# Allegro board 8880F5-0823_1_maisha.brd (continued)
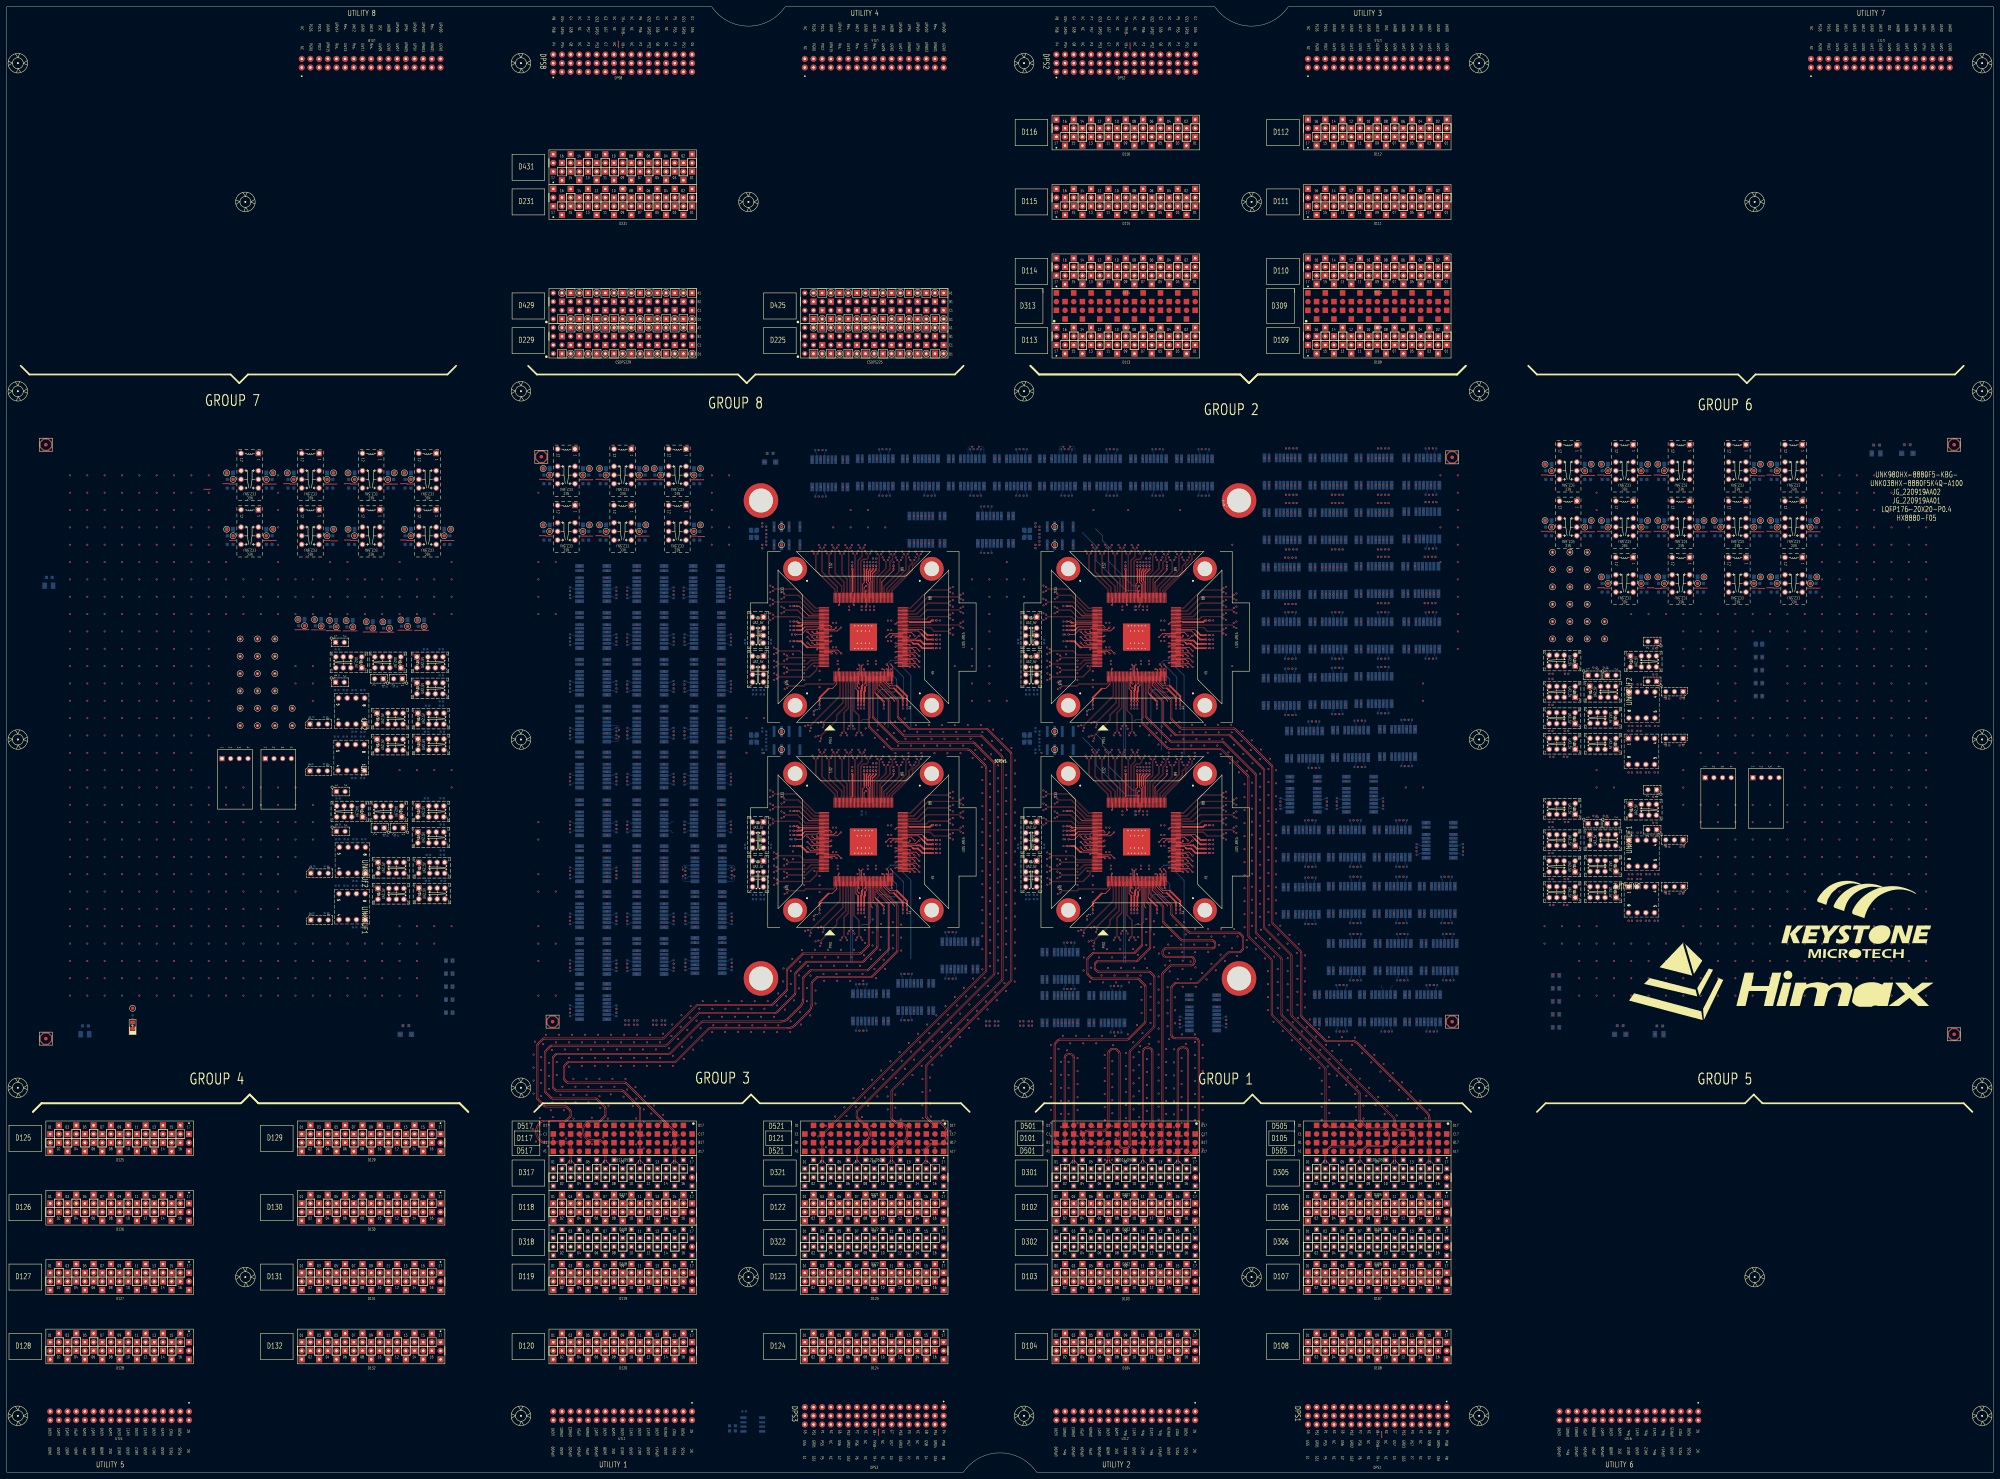
[diagram p0: board, top side]
## Routing (per net, layer and track width the routed paths; a pad name or vN(x,y) marks a point on that pad's centre or on a via; arc(x,y) is an arc through that point) (continued)
  L28_SIGNAL w0.071: v1(390.16,235.65) 389.69,235.18 389.69,233.97 388.21,232.49 388.21,219.12 388.81,218.52 391.12,218.52 392.27,219.66 392.27,221.1 395.58,224.41 404.27,224.41 407.15,221.52 407.15,206.24 408.71,204.68 418.95,204.68 422.83,208.57 422.83,233.64 426.21,237.02 444.82,237.02 448.37,233.47 448.37,206.58 444.39,202.6 401.84,202.6 400.84,201.61 379.9,201.61 376.79,204.72 376.79,214.1 375.04,215.85 342.11,215.85 341.05,216.91 337.89,216.91 334.95,219.86 327.93,219.86 327.33,219.25 327.33,219.02 v1(327.8,218.55)
D10910: length 413.5
  TOP w0.086: SITE2.2 322.63,231.48 322.55,231.4 322.55,231.18 322.13,230.76 314.03,230.76 313.52,230.25 308.97,230.25 v1(308.51,229.79)
  L03_SIGNAL w0.071: D109.10 396.75,328.17 396.75,323.17 428.31,291.6 428.31,264.18 430.22,262.28 432.66,262.28 434.14,263.76 434.14,282.24 437.37,285.47 441.52,285.47 444.19,282.8 444.19,227.73 440.32,223.87 427.26,223.87 423.54,227.59 423.54,239.25 419.54,243.25 399.38,243.25 397.48,241.35 397.48,224.06 396.3,222.88 396.3,220.63 v1(396.77,220.15)
  L28_SIGNAL w0.071: v1(308.51,229.79) 308.98,230.26 315.86,230.26 317.77,228.35 335.32,228.35 338.56,225.12 338.56,223.39 343.79,218.16 356.29,218.16 360.54,222.41 377.84,222.41 379.03,221.22 379.03,205.22 381.3,202.95 398.37,202.95 402.84,207.43 402.84,210.8 401.84,211.81 400.79,211.81 398.34,214.26 398.34,216.33 396.3,218.37 396.3,219.68 v1(396.77,220.15)
D10911: length 457
  TOP w0.086: v1(326.65,218.55) 327.11,219 327.11,231.4 327.03,231.48 SITE2.13
  L03_SIGNAL w0.071: v1(389.02,235.65) 389.49,235.18 389.49,234.59 389.22,234.31 387.62,234.31 384.37,237.56 384.37,309.59 373.37,320.59 373.37,339.27 375.99,341.9 395.76,341.9 399.32,338.34 399.32,334.5 399.1,334.28 397.78,334.28 D109.11
  L28_SIGNAL w0.071: v1(326.65,218.55) 327.13,219.02 327.13,219.33 327.85,220.06 335.03,220.06 337.98,217.11 341.14,217.11 342.2,216.05 375.12,216.05 376.99,214.18 376.99,204.8 379.99,201.8 400.76,201.8 401.75,202.8 444.31,202.8 448.17,206.66 448.17,233.38 444.74,236.82 426.29,236.82 423.03,233.56 423.03,208.49 419.03,204.49 408.62,204.49 406.95,206.16 406.95,221.44 404.18,224.21 395.66,224.21 392.46,221.01 392.46,219.58 391.2,218.32 388.73,218.32 388.01,219.03 388.01,232.57 389.49,234.05 389.49,235.18 v1(389.02,235.65)
D10912: length 413.5
  TOP w0.086: SITE2.1 322.23,231.48 322.31,231.4 322.31,231.28 322.03,231 313.93,231 313.42,230.49 308.95,230.49 v1(308.51,230.93)
  L03_SIGNAL w0.071: D109.12 395.01,328.89 395.67,328.89 396.55,328.01 396.55,323.08 428.12,291.52 428.12,264.1 430.13,262.08 432.74,262.08 434.34,263.68 434.34,282.16 437.46,285.27 441.43,285.27 443.99,282.72 443.99,227.82 440.24,224.07 427.34,224.07 423.74,227.67 423.74,239.33 419.62,243.45 399.3,243.45 397.28,241.43 397.28,224.14 396.1,222.96 396.1,220.63 v1(395.62,220.15)
  L28_SIGNAL w0.071: v1(395.62,220.15) 396.1,219.68 396.1,218.29 398.14,216.25 398.14,214.18 400.71,211.61 401.75,211.61 402.65,210.72 402.65,207.51 398.29,203.15 381.38,203.15 379.23,205.3 379.23,221.31 377.92,222.61 360.46,222.61 356.2,218.36 343.87,218.36 338.75,223.48 338.75,225.2 335.4,228.55 317.85,228.55 315.94,230.46 308.98,230.46 v1(308.51,230.93)
D10913: length 457
  TOP w0.086: SITE2.10 325.83,231.48 325.75,231.4 325.75,224.32 323.1,221.66 323.1,220.24 318.42,215.56 v1(318.42,214.92)
  L03_SIGNAL w0.071: v1(390.16,251.9) 389.69,251.43 389.69,250.65 389.18,250.14 387.53,250.14 386.71,250.95 386.71,255.13 387.68,256.1 392.19,256.1 392.92,256.83 392.92,304.32 375.56,321.68 375.56,338.82 377.86,341.12 386.47,341.12 390.17,337.41 390.17,333.73 D109.13
  L28_SIGNAL w0.071: v1(390.16,251.9) 389.69,252.38 389.69,253.44 389.11,254.02 387.55,254.02 386.39,252.87 386.39,251.51 382.5,247.62 366.91,247.62 364.11,250.42 359.24,250.42 357.88,249.06 356.03,249.06 348.37,256.72 310.89,256.72 299.65,267.97 287.74,267.97 283.53,263.75 283.53,223.94 284.2,223.27 285.62,223.27 286.35,224.01 286.35,263.08 287.11,263.83 289.12,263.83 289.94,263.01 289.94,224.01 290.74,223.21 293.48,223.21 294.08,223.8 294.08,237.02 294.73,237.67 295.8,237.67 296.75,236.72 296.75,224.5 307.22,214.03 316.86,214.03 317.75,214.92 v1(318.42,214.92)
D10914: length 457
  TOP w0.086: SITE2.12 326.63,231.48 326.55,231.4 326.55,223.72 325.23,222.4 325.23,217.05 v1(325.68,216.6)
  L03_SIGNAL w0.071: D109.14 387.32,328.9 386.5,328.9 385.15,327.55 385.15,321.84 394.57,312.41 394.57,245.05 389.69,240.16 389.69,238.79 v1(390.16,238.32)
  L28_SIGNAL w0.071: v1(325.68,216.6) 325.21,216.12 325.21,215.2 327.27,213.14 332.06,213.14 333.24,211.95 362.77,211.95 364.34,210.37 371.17,210.37 372.88,208.66 372.88,201.84 375.44,199.28 476.97,199.28 478.97,201.28 483.31,201.28 484.46,202.44 484.46,246.62 474.56,256.52 426.05,256.52 418.51,248.99 418.51,237.77 412.64,231.9 398.72,231.9 394.66,235.96 394.66,239.22 393.57,240.32 390.34,240.32 389.69,239.67 389.69,238.79 v1(390.16,238.32)
D10915: length 457
  TOP w0.086: v1(317.61,215.73) 318.25,215.73 322.86,220.34 322.86,221.76 325.51,224.41 325.51,231.4 325.43,231.48 SITE2.9
  L03_SIGNAL w0.071: D109.15 387.17,333.83 389.65,333.83 389.97,334.16 389.97,337.33 386.39,340.92 377.94,340.92 375.76,338.74 375.76,321.76 393.12,304.4 393.12,256.74 392.28,255.9 387.76,255.9 386.91,255.05 386.91,251.04 387.61,250.33 389.1,250.33 389.49,250.73 389.49,251.43 v1(389.02,251.9)
  L28_SIGNAL w0.071: v1(389.02,251.9) 389.49,252.38 389.49,253.36 389.03,253.82 387.63,253.82 386.59,252.79 386.59,251.43 382.58,247.42 366.83,247.42 364.03,250.22 359.32,250.22 357.96,248.86 355.95,248.86 348.28,256.52 310.81,256.52 299.56,267.77 287.82,267.77 283.73,263.67 283.73,224.02 284.28,223.47 285.54,223.47 286.16,224.09 286.16,263.16 287.02,264.03 289.2,264.03 290.13,263.09 290.13,224.09 290.83,223.4 293.4,223.4 293.88,223.88 293.88,237.1 294.65,237.86 295.88,237.86 296.95,236.8 296.95,224.58 307.3,214.23 316.78,214.23 317.61,215.06 v1(317.61,215.73)
D10916: length 457
  TOP w0.086: SITE2.11 326.23,231.48 326.31,231.4 326.31,223.82 324.99,222.5 324.99,217.05 v1(324.54,216.6)
  L03_SIGNAL w0.071: v1(389.02,238.32) 389.49,238.79 389.49,240.25 394.38,245.13 394.38,312.33 384.95,321.75 384.95,328.79 D109.16
  L28_SIGNAL w0.071: v1(324.54,216.6) 325.01,216.12 325.01,215.12 327.19,212.94 331.97,212.94 333.16,211.75 362.68,211.75 364.26,210.17 371.08,210.17 372.68,208.58 372.68,201.75 375.35,199.08 477.05,199.08 479.05,201.08 483.39,201.08 484.66,202.35 484.66,246.7 474.64,256.72 425.96,256.72 418.31,249.07 418.31,237.85 412.56,232.1 398.8,232.1 394.86,236.04 394.86,239.3 393.65,240.51 390.26,240.51 389.49,239.75 389.49,238.79 v1(389.02,238.32)
D11301: length 413.5
  TOP w0.086: SITE2.172 317.68,237.63 317.6,237.71 315.46,237.71 314.38,236.63 305.85,236.63 v1(305.39,236.18)
  L03_SIGNAL w0.071: v1(383.31,219.9) 382.83,219.43 382.83,218.88 381.94,217.99 381.94,215.22 378.89,212.17 369.3,212.17 365.93,215.54 343.1,215.54 341.37,217.27 341.37,248.22 345.69,252.54 357.89,252.54 360.99,249.43 360.99,220.75 362.94,218.81 378.5,218.81 380.64,220.95 380.64,301.99 366.38,316.24 366.38,334.71 359.68,341.42 348.53,341.42 345.19,338.08 345.19,334.3 345.33,334.16 346.56,334.16 D113.01
  L28_SIGNAL w0.071: v1(383.31,219.9) 382.83,219.43 382.83,218.74 383.25,218.33 384.29,218.33 384.81,218.85 384.81,224.13 378.02,230.92 342.22,230.92 338.98,234.16 323.23,234.16 320.74,236.65 305.87,236.65 v1(305.39,236.18)
D11302: length 457
  TOP w0.086: v1(319.21,218.99) 319.21,219.63 324.95,225.37 324.95,231.4 325.03,231.48 SITE2.8
  L03_SIGNAL w0.071: D113.02 343.82,328.58 343.82,322.24 346.23,319.83 359.14,319.83 379.44,299.53 379.44,221.74 377.88,220.18 370.1,220.18 364.26,226.02 364.26,270.19 359.53,274.92 337.17,274.92 333.78,278.31 333.78,303.93 339.09,309.24 361.38,309.24 370.45,300.17 370.45,239.88 372.59,237.74 372.59,232.47 377.03,228.03 377.03,224.49 375.98,223.44 375.98,222.28 v1(376.45,221.81)
  L28_SIGNAL w0.071: v1(376.45,221.81) 376.05,221.81 375.98,221.73 375.98,219.5 374.12,217.65 340.52,217.65 337.31,220.86 320.41,220.86 319.21,219.66 v1(319.21,218.99)
D11303: length 413.5
  TOP w0.086: SITE2.171 317.68,238.03 317.6,237.95 315.37,237.95 314.29,236.87 305.85,236.87 v1(305.39,237.32)
  L03_SIGNAL w0.071: v1(382.16,219.9) 382.63,219.43 382.63,218.96 381.74,218.07 381.74,215.3 378.81,212.37 369.38,212.37 366.01,215.74 343.18,215.74 341.57,217.35 341.57,248.14 345.77,252.34 357.8,252.34 360.79,249.35 360.79,220.67 362.86,218.61 378.58,218.61 380.83,220.86 380.83,302.07 366.58,316.32 366.58,334.8 359.76,341.61 348.45,341.61 344.99,338.16 344.99,334.83 D113.03
  L28_SIGNAL w0.071: v1(382.16,219.9) 382.63,219.43 382.63,218.66 383.17,218.13 384.37,218.13 385.01,218.77 385.01,224.21 378.1,231.12 342.3,231.12 339.06,234.36 323.31,234.36 320.82,236.85 305.87,236.85 v1(305.39,237.32)
D11304: length 457
  TOP w0.086: v1(318.4,219.8) 319.04,219.8 324.71,225.47 324.71,231.4 324.63,231.48 SITE2.7
  L03_SIGNAL w0.071: v1(375.3,221.81) 375.78,222.28 375.78,223.52 376.83,224.58 376.83,227.94 372.39,232.39 372.39,237.65 370.25,239.8 370.25,300.09 361.29,309.04 339.17,309.04 333.98,303.84 333.98,278.39 337.25,275.12 359.61,275.12 364.45,270.28 364.45,226.1 370.18,220.38 377.8,220.38 379.24,221.82 379.24,299.45 359.06,319.63 346.15,319.63 343.62,322.15 343.62,328.59 343.02,329.2 341.36,329.2 D113.04
  L28_SIGNAL w0.071: v1(318.4,219.8) 319.07,219.8 320.33,221.06 337.39,221.06 340.61,217.85 374.04,217.85 375.78,219.58 375.78,221.73 375.71,221.81 v1(375.3,221.81)
D11305: length 457
  TOP w0.086: v1(330.13,216.61) 329.68,217.05 329.68,221.65 328.15,223.18 328.15,231.4 328.23,231.48 SITE2.16
  L03_SIGNAL w0.071: D113.05 335.38,335.18 335.38,339.03 339.92,343.57 366.08,343.57 370.39,339.26 370.39,317.73 382.35,305.76 382.35,222.21 384.09,220.46 388.91,220.46 389.69,221.24 389.69,221.59 v1(390.16,222.06)
  L28_SIGNAL w0.071: v1(330.13,216.61) 329.66,217.08 329.66,217.46 329.98,217.78 334.16,217.78 336.94,215 339.9,215 341.15,213.76 360.43,213.76 361.21,212.98 371.58,212.98 373.98,210.59 373.98,202.89 376.05,200.83 407.86,200.83 408.47,201.43 447.14,201.43 450.3,204.59 450.3,248.43 448.25,250.47 423.54,250.47 420.59,247.52 420.59,238.66 409.02,227.09 395.58,227.09 391.48,223 391.48,220.38 390.73,219.63 389.9,219.63 389.69,219.84 389.69,221.59 v1(390.16,222.06)
D11306: length 457
  TOP w0.086: SITE2.6 324.23,231.48 324.15,231.4 324.15,227.37 315.41,218.63 v1(315.41,217.99)
  L03_SIGNAL w0.071: D113.06 333.45,328.37 333.45,317.68 337.34,313.79 359.84,313.79 372.98,300.65 372.98,239.74 375.98,236.75 375.98,235.87 v1(376.45,235.39)
  L28_SIGNAL w0.071: v1(315.41,217.99) 314.74,217.99 313.81,217.06 307.94,217.06 303.76,221.23 303.76,241.99 306.23,244.45 313.66,244.45 314.24,243.87 320,243.87 320.55,244.42 327.59,244.42 328.71,245.54 342.85,245.54 344.15,244.25 347.49,244.25 352.16,239.58 362.84,239.58 368.79,245.53 403.06,245.53 407.59,250.06 407.59,306.04 409.19,307.64 411.77,307.64 413.7,305.72 413.7,248.91 408.49,243.7 383.15,243.7 375.97,236.52 375.97,235.87 v1(376.45,235.39)
D11307: length 457
  TOP w0.086: SITE2.15 327.83,231.48 327.91,231.4 327.91,223.08 329.45,221.55 329.45,217.06 v1(328.99,216.61)
  L03_SIGNAL w0.071: D113.07 335.18,335.18 335.18,339.11 339.83,343.77 366.16,343.77 370.59,339.35 370.59,317.81 382.55,305.85 382.55,222.29 384.18,220.66 388.83,220.66 389.49,221.32 389.49,221.59 v1(389.02,222.06)
  L28_SIGNAL w0.071: v1(389.02,222.06) 389.49,221.59 389.49,219.76 389.82,219.43 390.82,219.43 391.68,220.3 391.68,222.92 395.66,226.89 409.1,226.89 420.79,238.58 420.79,247.43 423.63,250.27 448.17,250.27 450.1,248.35 450.1,204.67 447.06,201.63 408.38,201.63 407.78,201.03 376.13,201.03 374.18,202.98 374.18,210.67 371.67,213.18 361.29,213.18 360.51,213.96 341.23,213.96 339.98,215.2 337.02,215.2 334.24,217.98 329.9,217.98 329.46,217.55 329.46,217.08 v1(328.99,216.61)
D11308: length 457
  TOP w0.086: SITE2.5 323.83,231.48 323.91,231.4 323.91,227.47 315.24,218.8 v1(314.6,218.8)
  L03_SIGNAL w0.071: D113.08 331.36,329.04 332.77,329.04 333.25,328.55 333.25,317.59 337.26,313.59 359.75,313.59 372.78,300.57 372.78,239.66 375.78,236.67 375.78,235.87 v1(375.3,235.39)
  L28_SIGNAL w0.071: v1(314.6,218.8) 314.6,218.13 313.73,217.26 308.02,217.26 303.96,221.31 303.96,241.9 306.31,244.26 313.58,244.26 314.15,243.68 320.09,243.68 320.63,244.22 327.67,244.22 328.8,245.35 342.77,245.35 344.07,244.05 347.41,244.05 352.08,239.38 362.92,239.38 368.88,245.33 403.14,245.33 407.79,249.97 407.79,305.96 409.28,307.44 411.69,307.44 413.5,305.63 413.5,249 408.41,243.9 383.07,243.9 375.78,236.61 375.78,235.87 v1(375.3,235.39)
D12501: length 413.5
  TOP w0.086: SITE1.170 237.68,238.43 237.61,238.5 228.77,238.5 v1(228.38,238.12)
  L03_SIGNAL w0.071: v2(198.18,257.03) 197.71,257.5 197.17,257.5 196.58,258.09 196.58,259.22 195.23,260.57 75.2,260.57 9.03,194.4 9.03,93.76 11.61,91.19 14.28,91.19 15.7,92.61 15.7,94.54 15.13,95.11 14.11,95.11 D125.01
  L28_SIGNAL w0.071: v2(198.18,257.03) 198.66,257.5 199.7,257.5 200.96,258.76 204.73,258.76 205.44,259.48 205.44,260.5 204.82,261.12 199.21,261.12 198.54,261.8 198.54,262.69 199.2,263.35 221.28,263.35 225.57,259.05 225.57,245.67 226.86,244.38 226.86,239.39 227.66,238.59 227.91,238.59 v1(228.38,238.12)
D12502: length 457
  TOP w0.086: v1(235.41,217.99) 235.41,218.63 244.15,227.37 244.15,231.4 244.23,231.48 SITE1.6
  L03_SIGNAL w0.071: v2(212.03,243.31) 212.5,243.78 213.52,243.78 214.2,244.47 214.2,248.17 207.95,254.43 74.02,254.43 16.42,196.83 16.42,100.24 D125.02
  L28_SIGNAL w0.071: v1(235.41,217.99) 235.41,218.66 235.72,218.97 235.72,225.05 236.88,226.21 236.88,231.62 235.23,233.27 235.23,251.26 221.65,264.84 198.02,264.84 195.99,262.81 195.99,254.34 205.56,244.76 209.62,244.76 210.59,243.78 211.55,243.78 v2(212.03,243.31)
D12503: length 413.5
  TOP w0.086: SITE1.169 237.68,238.83 237.59,238.74 228.9,238.74 v1(228.38,239.26)
  L03_SIGNAL w0.071: D125.03 15.9,94.64 15.9,92.53 14.36,90.99 11.53,90.99 8.84,93.68 8.84,194.48 75.12,260.77 195.31,260.77 196.78,259.3 196.78,258.17 197.25,257.7 197.71,257.7 v2(198.18,258.17)
  L28_SIGNAL w0.071: v1(228.38,239.26) 227.91,238.79 227.74,238.79 227.06,239.47 227.06,244.47 225.77,245.75 225.77,259.13 221.36,263.54 199.11,263.54 198.34,262.77 198.34,261.72 199.13,260.93 204.73,260.93 205.24,260.42 205.24,259.56 204.64,258.96 200.88,258.96 199.62,257.7 198.66,257.7 v2(198.18,258.17)
D12504: length 457
  TOP w0.086: SITE1.5 243.83,231.48 243.91,231.4 243.91,227.47 235.24,218.8 v1(234.6,218.8)
  L03_SIGNAL w0.071: v2(212.03,244.46) 212.5,243.98 213.44,243.98 214.01,244.55 214.01,248.09 207.87,254.23 74.1,254.23 16.62,196.75 16.62,100.6 17.07,100.14 19.24,100.14 D125.04
  L28_SIGNAL w0.071: v2(212.03,244.46) 211.55,243.98 210.68,243.98 209.7,244.96 205.65,244.96 196.18,254.42 196.18,262.72 198.11,264.65 221.57,264.65 235.04,251.18 235.04,233.18 236.68,231.54 236.68,226.29 235.52,225.13 235.52,219.05 235.27,218.8 v1(234.6,218.8)
D12505: length 413.5
  TOP w0.086: SITE1.168 237.68,239.23 237.6,239.31 233.34,239.31 232.15,240.5 225.84,240.5 v1(225.36,240.02)
  L03_SIGNAL w0.071: D125.05 24,95.38 24.84,95.38 25.87,94.36 25.87,89.95 23.45,87.53 11.23,87.53 7,91.77 7,197.29 72.44,262.74 204.65,262.74 209.9,257.5 211.3,257.5 v1(211.77,257.03)
  L28_SIGNAL w0.071: v1(225.36,240.02) 224.89,240.49 224.23,240.49 222.61,242.11 222.61,255.82 220.93,257.5 212.24,257.5 v1(211.77,257.03)
D12506: length 457
  TOP w0.086: v1(239.21,218.99) 239.21,219.63 244.95,225.37 244.95,231.4 245.03,231.48 SITE1.8
  L03_SIGNAL w0.071: v2(198.44,243.31) 198.91,243.78 199.35,243.78 199.85,244.28 199.85,249.22 196.1,252.96 78.39,252.96 24.6,199.17 24.6,114.16 26.69,112.08 26.69,100.35 D125.06
  L28_SIGNAL w0.071: v2(198.44,243.31) 197.97,243.78 196.68,243.78 193.58,246.89 193.58,247.97 185.18,256.36 185.18,267.79 187.36,269.97 232.91,269.97 239.41,263.47 239.41,219.86 239.21,219.66 v1(239.21,218.99)
D12507: length 413.5
  TOP w0.086: v1(225.36,241.16) 225.78,240.74 232.25,240.74 233.44,239.55 237.6,239.55 237.68,239.63 SITE1.167
  L03_SIGNAL w0.071: v2(211.77,258.17) 211.3,257.7 209.98,257.7 204.74,262.94 72.36,262.94 6.8,197.38 6.8,91.68 11.15,87.33 23.53,87.33 26.07,89.87 26.07,94.65 D125.07
  L28_SIGNAL w0.071: v1(225.36,241.16) 224.89,240.69 224.31,240.69 222.81,242.19 222.81,255.9 221.01,257.7 212.24,257.7 v2(211.77,258.17)
D12508: length 457
  TOP w0.086: SITE1.7 244.63,231.48 244.71,231.4 244.71,225.47 239.04,219.8 v1(238.4,219.8)
  L03_SIGNAL w0.071: D125.08 29.41,100.13 27.05,100.13 26.88,100.3 26.88,112.16 24.8,114.24 24.8,199.09 78.48,252.77 196.02,252.77 199.65,249.14 199.65,244.37 199.26,243.98 198.91,243.98 v2(198.44,244.46)
  L28_SIGNAL w0.071: v2(198.44,244.46) 197.97,243.98 196.76,243.98 193.78,246.97 193.78,248.05 185.38,256.45 185.38,267.71 187.44,269.77 232.82,269.77 239.21,263.38 239.21,219.94 239.07,219.8 v1(238.4,219.8)
D12509: length 413.5
  TOP w0.086: v1(228.51,229.79) 228.97,230.25 233.52,230.25 234.03,230.76 242.13,230.76 242.55,231.18 242.55,231.4 242.63,231.48 SITE1.2
  L03_SIGNAL w0.071: D125.09 35.22,94.32 35.22,90.88 37.07,89.02 52.98,89.02 59.27,95.31 59.27,115.07 45.32,129.02 45.32,198.73 83.88,237.28 178.99,237.28 185.49,243.78 188.99,243.78 190.06,244.86 192.61,244.86 193.68,243.78 194.79,243.78 v2(195.26,243.31)
  L28_SIGNAL w0.071: v2(195.26,243.31) 195.26,243.71 195.19,243.78 193.55,243.78 183.87,253.46 182.48,253.46 181.79,252.77 181.79,251.47 183.79,249.47 184.74,249.47 185.86,248.35 185.86,245.73 189.4,242.19 215.45,242.19 216.08,241.55 221.93,241.55 224.39,239.09 226.31,239.09 226.88,238.52 226.88,237.61 227.35,237.15 229.15,237.15 230.51,235.79 230.51,231.07 229.7,230.26 228.98,230.26 v1(228.51,229.79)
D12510: length 413.5
  TOP w0.086: SITE1.174 237.68,236.83 237.6,236.91 236.1,236.91 234.04,234.85 228.85,234.85 v1(228.4,234.39)
  L03_SIGNAL w0.071: v2(181.67,243.31) 182.15,243.78 182.42,243.78 182.74,244.1 182.74,246.33 180.03,249.04 79.89,249.04 29.32,198.48 29.32,120.28 36.74,112.86 36.74,100.24 D125.10
  L28_SIGNAL w0.071: v2(181.67,243.31) 182.15,243.78 182.69,243.78 183.18,244.28 183.18,247.83 178.03,252.98 175.03,252.98 174.55,252.5 174.55,249.95 175.17,249.32 178.27,249.32 180.47,247.12 180.47,242.79 179.9,242.22 175.71,242.22 175.12,242.8 175.12,244.7 174.56,245.25 173.86,245.25 173.36,244.75 173.36,242.02 172.77,241.43 172.08,241.43 171.56,241.95 171.56,245.97 171,246.52 170.14,246.52 169.55,245.93 169.55,241.04 170.47,240.13 222.01,240.13 223.86,238.27 225.38,238.27 225.95,237.7 225.95,235.84 226.93,234.87 227.93,234.87 v1(228.4,234.39)
D12511: length 413.5
  TOP w0.086: v1(228.51,230.93) 228.95,230.49 233.42,230.49 233.93,231 242.03,231 242.31,231.28 242.31,231.4 242.23,231.48 SITE1.1
  L03_SIGNAL w0.071: v2(195.26,244.46) 194.79,243.98 193.77,243.98 192.69,245.06 189.98,245.06 188.91,243.98 185.41,243.98 178.9,237.48 83.79,237.48 45.13,198.81 45.13,128.93 59.07,114.99 59.07,95.39 52.9,89.22 37.16,89.22 35.41,90.96 35.41,94.72 35.79,95.09 36.67,95.09 D125.11
  L28_SIGNAL w0.071: v2(195.26,244.46) 195.26,244.05 195.19,243.98 193.63,243.98 183.96,253.66 182.4,253.66 181.6,252.86 181.6,251.39 183.71,249.27 184.66,249.27 185.66,248.27 185.66,245.65 189.32,241.99 215.36,241.99 216,241.36 221.85,241.36 224.31,238.89 226.22,238.89 226.68,238.43 226.68,237.53 227.26,236.95 229.07,236.95 230.31,235.71 230.31,231.16 229.62,230.46 228.98,230.46 v1(228.51,230.93)
D12512: length 413.5
  TOP w0.086: SITE1.173 237.68,237.23 237.6,237.15 236,237.15 233.94,235.08 228.85,235.08 v1(228.4,235.54)
  L03_SIGNAL w0.071: D125.12 39.51,100.19 37.4,100.19 36.94,100.65 36.94,112.94 29.52,120.36 29.52,198.39 79.97,248.84 179.95,248.84 182.54,246.25 182.54,244.18 182.34,243.98 182.15,243.98 v2(181.67,244.46)
  L28_SIGNAL w0.071: v1(228.4,235.54) 227.93,235.06 227.01,235.06 226.14,235.93 226.14,237.79 225.46,238.47 223.95,238.47 222.09,240.32 170.55,240.32 169.75,241.13 169.75,245.85 170.22,246.32 170.92,246.32 171.36,245.88 171.36,241.86 171.99,241.23 172.85,241.23 173.56,241.93 173.56,244.67 173.94,245.06 174.48,245.06 174.92,244.61 174.92,242.72 175.63,242.02 179.98,242.02 180.67,242.71 180.67,247.2 178.35,249.52 175.26,249.52 174.75,250.03 174.75,252.42 175.12,252.78 177.95,252.78 182.98,247.75 182.98,244.36 182.61,243.98 182.15,243.98 v2(181.67,244.46)
D12513: length 413.5
  TOP w0.086: SITE1.172 237.68,237.63 237.6,237.71 235.46,237.71 234.38,236.63 225.85,236.63 v1(225.39,236.18)
  L03_SIGNAL w0.071: D125.13 44.61,95.09 44.61,92.75 47.01,90.35 51.92,90.35 56.06,94.5 56.06,112.18 39.76,128.48 39.76,198.4 82.4,241.03 166.18,241.03 168.94,243.78 171.11,243.78 171.9,244.58 176.12,244.58 176.91,243.78 178.03,243.78 v2(178.5,243.31)
  L28_SIGNAL w0.071: v1(225.39,236.18) 224.92,236.65 223.85,236.65 222.67,237.82 213.7,237.82 212.66,238.86 170.26,238.86 168.64,240.48 168.64,244.06 167.42,245.28 154.64,245.28 153.74,246.18 153.74,248.63 154.47,249.36 164.66,249.36 166.73,247.29 178.03,247.29 179.86,245.46 179.86,244.31 179.34,243.78 178.97,243.78 v2(178.5,243.31)
D12514: length 413.5
  TOP w0.086: v1(225.46,232.46) 225.91,232.92 235.19,232.92 237.25,234.98 237.25,235.88 237.48,236.11 237.6,236.11 237.68,236.03 SITE1.176
  L03_SIGNAL w0.071: v2(164.91,243.31) 165.38,243.78 165.88,243.78 166.22,244.13 166.22,245.17 164.96,246.44 82.1,246.44 34.51,198.84 34.51,124.94 47.63,111.82 47.63,100.97 D125.14
  L28_SIGNAL w0.071: v1(225.46,232.46) 224.98,232.94 224.31,232.94 222.79,234.45 222.79,236.41 222.31,236.89 212.23,236.89 211.14,235.81 134.33,235.81 132.88,237.26 132.88,240.39 134.1,241.61 165.85,241.61 166.34,242.1 166.34,243.16 165.72,243.78 165.38,243.78 v2(164.91,243.31)
D12515: length 413.5
  TOP w0.086: SITE1.171 237.68,238.03 237.6,237.95 235.37,237.95 234.29,236.87 225.85,236.87 v1(225.39,237.32)
  L03_SIGNAL w0.071: v2(178.5,244.46) 178.03,243.98 176.99,243.98 176.2,244.77 171.82,244.77 171.03,243.98 168.86,243.98 166.1,241.22 82.31,241.22 39.57,198.48 39.57,128.39 55.86,112.1 55.86,94.58 51.84,90.55 47.09,90.55 44.81,92.83 44.81,94.43 45.43,95.05 46.79,95.05 D125.15
  L28_SIGNAL w0.071: v2(178.5,244.46) 178.97,243.98 179.25,243.98 179.66,244.39 179.66,245.38 177.95,247.09 166.64,247.09 164.57,249.16 154.55,249.16 153.93,248.55 153.93,246.27 154.72,245.48 167.51,245.48 168.84,244.14 168.84,240.56 170.34,239.06 212.74,239.06 213.78,238.02 222.76,238.02 223.93,236.85 224.92,236.85 v1(225.39,237.32)
D12516: length 413.5
  TOP w0.086: v1(225.46,233.61) 225.91,233.16 235.09,233.16 237.01,235.08 237.01,235.98 237.38,236.35 237.6,236.35 237.68,236.43 SITE1.175
  L03_SIGNAL w0.071: D125.16 49.75,100.11 48.78,100.11 47.83,101.07 47.83,111.9 34.71,125.02 34.71,198.76 82.18,246.24 164.87,246.24 166.02,245.09 166.02,244.21 165.8,243.98 165.38,243.98 v2(164.91,244.46)
  L28_SIGNAL w0.071: v1(225.46,233.61) 224.98,233.14 224.39,233.14 222.99,234.53 222.99,236.49 222.4,237.09 212.15,237.09 211.06,236 134.41,236 133.07,237.34 133.07,240.31 134.18,241.42 165.94,241.42 166.54,242.02 166.54,243.24 165.8,243.98 165.38,243.98 v2(164.91,244.46)
D12609: length 457
  TOP w0.086: v1(250.13,216.61) 249.68,217.05 249.68,221.65 248.15,223.18 248.15,231.4 248.23,231.48 SITE1.16
  L03_SIGNAL w0.071: D126.09 34.96,74.26 34.96,70.54 36.99,68.51 58.22,68.51 72.03,82.33 72.03,190.22 87.2,205.39 87.2,219.77 87.91,220.47 129.39,220.47 130.95,222.03 176,222.03 180.1,226.13 180.1,229.52 180.65,230.07 181.2,230.07 v1(181.67,229.6)
  L28_SIGNAL w0.071: v1(181.67,229.6) 181.2,230.07 180.6,230.07 180.05,230.63 180.05,232.05 181.31,233.32 198.27,233.32 199.44,232.16 199.44,226.71 198.14,225.41 175.87,225.41 173.23,222.78 173.23,216.8 175.19,214.84 212.34,214.84 214.08,216.58 235.33,216.58 236.09,217.34 240.73,217.34 243.1,219.71 248.27,219.71 249.66,218.32 249.66,217.08 v1(250.13,216.61)
D12610: length 457
  TOP w0.086: v1(247.8,218.55) 247.35,218.99 247.35,231.4 247.43,231.48 SITE1.14
  L03_SIGNAL w0.071: D126.10 37.28,80.46 37.28,85.37 39.26,87.35 54.12,87.35 61.25,94.47 61.25,117.36 49.74,128.87 49.74,198.11 85.65,234.02 194.9,234.02 196.82,232.1 196.82,230.44 196.45,230.07 195.73,230.07 v1(195.26,229.6)
  L28_SIGNAL w0.071: v1(195.26,229.6) 195.73,230.07 196.1,230.07 196.73,229.44 196.73,228.04 195.17,226.48 166.95,226.48 165.41,224.94 165.41,214.73 167.32,212.82 212.57,212.82 214.68,214.93 235.45,214.93 236.83,216.3 242.46,216.3 243.55,217.39 245.62,217.39 246.01,217.01 246.85,217.01 247.33,217.48 247.33,218.07 v1(247.8,218.55)
D12611: length 457
  TOP w0.086: SITE1.15 247.83,231.48 247.91,231.4 247.91,223.08 249.45,221.55 249.45,217.06 v1(248.99,216.61)
  L03_SIGNAL w0.071: D126.11 36.87,74.97 35.38,74.97 35.16,74.75 35.16,70.62 37.07,68.71 58.13,68.71 71.84,82.41 71.84,190.3 87.01,205.47 87.01,219.85 87.82,220.67 129.31,220.67 130.87,222.23 175.92,222.23 179.9,226.21 179.9,229.6 180.57,230.27 181.2,230.27 v1(181.67,230.74)
  L28_SIGNAL w0.071: v1(248.99,216.61) 249.46,217.08 249.46,218.24 248.19,219.51 243.18,219.51 240.81,217.14 236.17,217.14 235.42,216.38 214.16,216.38 212.43,214.65 175.11,214.65 173.04,216.72 173.04,222.86 175.79,225.61 198.05,225.61 199.24,226.8 199.24,232.07 198.19,233.12 181.4,233.12 180.25,231.97 180.25,230.71 180.69,230.27 181.2,230.27 v1(181.67,230.74)
